# Altium PCB STM32F407VG.PcbDoc (part 1 of 2) (continued)
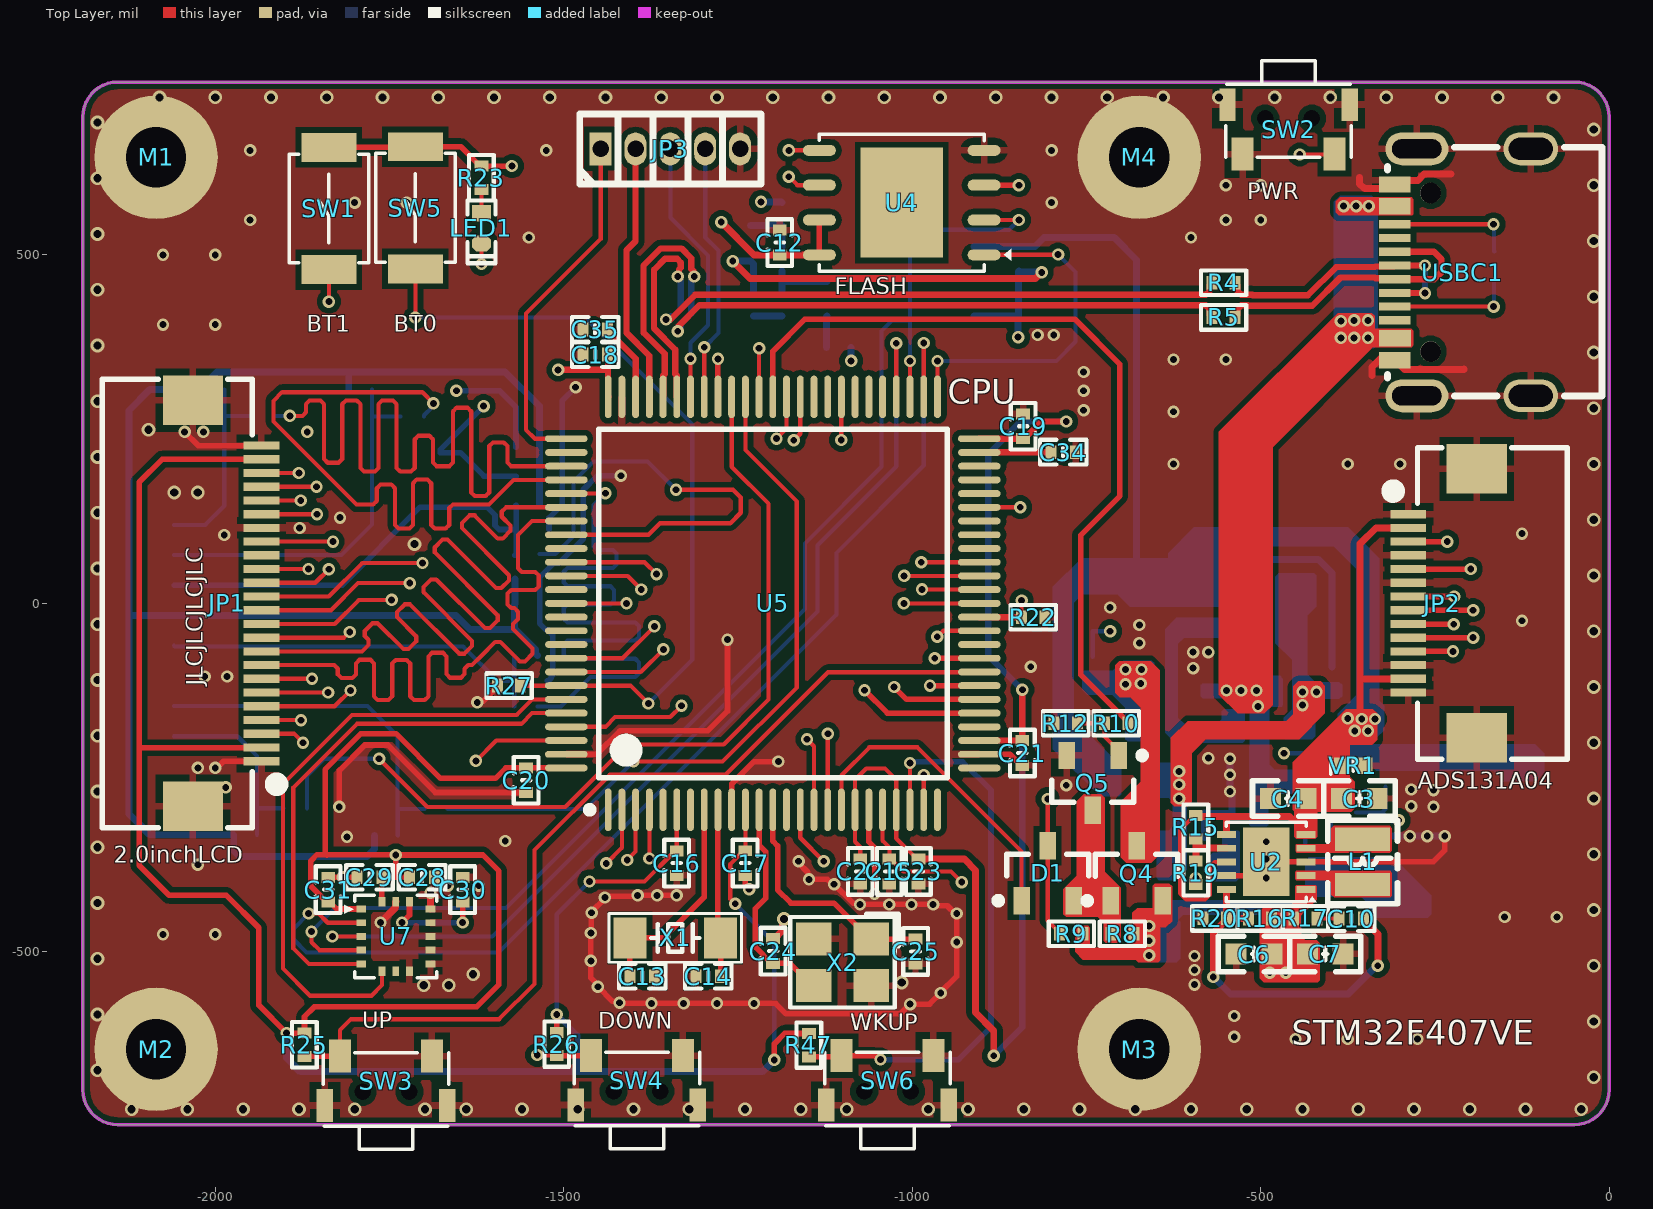
[diagram p0: Top Layer view]
## Components (designator, comment, footprint, x,y, rotation, side; value= is the part's Value field where it differs from the comment)
C1 "0.1uF" C0402_L -598.28,-336 r0 bottom
C2 "1uF" C0402_L -598.18,-300.52 r0 bottom
C3 "NC/10uF/6.3V" C0603_L -358.41,-280 r180 top
C4 "10uF/6.3V" C0603_L -460.59,-280 r0 top
C5 "1uF" C0402_L -847,494.29 r90 bottom
C6 "22uF/6.3V" C0603_L -509.57,-503.13 r0 top
C7 "22uF/6.3V" C0603_L -407.41,-503 r180 top
C8 "10uF" C0603_L -1232,516.59 r90 bottom
C9 "1000pF" C0402_L -1105.29,367 r180 bottom
C10 "22pF/25V" C0402_L -369.95,-452.19 r180 top
C11 "1uF" C0402_L -1227.89,430.11 r270 bottom
C12 "0.1uF" C0402_L -1190,517.71 r270 top locked
C13 "12pF" C0402_L -1387.29,-535 r180 top
C14 "12pF" C0402_L -1292.71,-535 r0 top
C15 "0.1uF" C0402_L -1032.79,-384.63 r90 top
C16 "0.1uF" C0402_L -1338,-372.71 r90 top
C17 "0.1uF" C0402_L -1239.76,-372.68 r90 top
C18 "0.1uF" C0402_L -1454.71,357 r0 top
C19 "0.1uF" C0402_L -840.94,254.06 r270 top
C20 "0.1uF" C0402_L -1554,-253.71 r90 top
C21 "0.1uF" C0402_L -842,-214.71 r90 top
C22 "0.1uF" C0402_L -1074.62,-384.63 r90 top
C23 "0.1uF" C0402_L -991,-384.71 r90 top
C24 "22pF" C0402_L -1199.64,-498.9 r90 top
C25 "22pF" C0402_L -995.26,-499.39 r270 top
C26 "2.2uF/25V" C0402_L -1552.28,-1 r0 bottom
C27 "33pF/25V" C0402_L -1552.28,35 r0 bottom
C28 "0.1uF" C0402_L -1703.29,-393 r180 top
C29 "2.2uF" C0402_L -1778.71,-393 r0 top
C30 "0.47uF" C0402_L -1645,-410.71 r90 top
C31 "0.1uF" C0402_L -1838,-410.71 r90 top
C32 "1uF" C0402_L -418.37,-343.17 r180 bottom
C33 "1uF" C0402_L -363,-317.71 r90 bottom
C34 "2.2uF" C0402_L -783.29,217 r180 top
C35 "2.2uF" C0402_L -1454.71,393 r0 top
D1 "BAT54C" SOT23-3L -805.62,-387.21 r90 top
D2 "B5919WS" SOD-123F -677.91,-37 r270 bottom
D3 "B5919WS" SOD-123F -520.83,21 r0 bottom
J1 "A1254WR-S-2P" A1254WR-S-2P -200,-455 r270 bottom locked
JP1 "24Pin_0.5mm" FPC0.5-WT-24P -2032,0 r90 top locked
JP2 "HDR-1X14" FPC0.5-WT-14P -190,0 r270 top locked
JP3 "HDR-1X5" HDR1.27-LI-5P -1347,652 r0 top
L1 "3.3uH/1.8A" NR2520 -353.71,-370.98 r270 top
LED1 "Yellow" LED0402 -1618,538 r270 top
M1 "M2" M2 -2085,640 r0 top
M2 "M2" M2 -2085,-640 r0 top
M3 "M2" M2 -674.06,-640 r0 top
M4 "M2" M2 -674.06,640 r0 top
Q1 "AO3401" SOT23-3L -406.37,-217 r0 bottom
Q2 "AO3401" SOT23-3L -485,-85.63 r270 bottom
Q3 "AO3400" SOT23-3L -538.68,-214.84 r90 bottom
Q4 "AO3401" SOT23-3L -678,-387.37 r90 top
Q5 "AO3400" SOT23-3L -741,-257.63 r270 top
Q6 "AO3401" SOT23-3L -677.91,-214.94 r90 bottom
Q7 "AO3401" SOT23-3L -421,-428.37 r90 bottom
R1 "330K" R0402_L -572,-108.27 r270 bottom
R2 "5.1K" R0402_L -148.27,465 r180 bottom
R3 "5.1K" R0402_L -148.27,505 r180 bottom
R4 "22R" R0402_L -553.27,460 r180 top
R5 "22R" R0402_L -553.26,410.37 r180 top
R6 "330K" R0402_L -397.61,-108.2 r270 bottom
R7 "4.7K/1%" R0402_L -541,-319.27 r90 bottom
R8 "100K" R0402_L -698.42,-474.03 r0 top
R9 "NC/10K" R0402_L -771.73,-474 r0 top
R10 "0R" R0402_L -707.27,-172 r0 top
R11 "10K" R0402_L -655.1,-319.61 r90 bottom
R12 "10K" R0402_L -779.73,-172 r180 top
R13 "100R" R0402_L -1187,493.73 r90 bottom
R14 "NC/0R" R0402_L -1187,558.73 r90 bottom
R15 "NC/0R" R0402_L -593,-321.27 r90 top
R16 "820K/1%" R0402_L -500.99,-452.13 r0 top
R17 "680K/1%" R0402_L -435.84,-452.07 r180 top
R18 "1R" R0402_L -1187,429.27 r90 bottom
R19 "0R/NC" R0402_L -593,-386.73 r90 top
R20 "143K/1%" R0402_L -565.73,-452 r0 top
R21 "0R" R0402_L -831.27,412 r0 bottom
R22 "10K/1%" R0402_L -826.27,-20 r180 top
R23 "1K" R0402_L -1618,610.73 r270 top
R24 "200K" R0402_L -484.27,-308 r180 bottom
R25 "10K/1%" R0402_L -1872,-633.27 r90 top
R26 "10K/1%" R0402_L -1510,-632.27 r90 top
R27 "10K/1%" R0402_L -1578.45,-118.01 r0 top
R28 "NC/10K" R0402_L -1956.73,-332 r180 bottom
R29 "NC/10K" R0402_L -1754.73,-333 r180 bottom
R30 "NC/10K" R0402_L -1554.27,-75 r0 bottom
R31 "NC/10K" R0402_L -1551.71,140.72 r0 bottom
R32 "NC/10K" R0402_L -1791.73,307 r180 bottom
R33 "NC/10K" R0402_L -2003.73,307 r180 bottom
R34 "33R/1%" R0402_L -1931.27,269 r180 bottom
R35 "33R/1%" R0402_L -1717.27,268 r180 bottom
R36 "33R/1%" R0402_L -1551.7,70.71 r180 bottom
R37 "33R/1%" R0402_L -1554.27,-148 r180 bottom
R38 "NC/10K" R0402_L -1551.79,182.57 r180 bottom
R39 "33R/1%" R0402_L -1683.27,-295 r180 bottom
R40 "33R/1%" R0402_L -1885.27,-294 r180 bottom
R41 "0R" R0402_L -1551.7,224.09 r0 bottom
R42 "200K" R0402_L -321,-246.27 r90 bottom
R43 "300K" R0402_L -419.27,-308 r180 bottom
R44 "300K" R0402_L -327,-316.73 r90 bottom
R45 "200K" R0402_L -741,-93.27 r270 bottom
R46 "200K" R0402_L -741,-23.27 r270 bottom
R47 "10K/1%" R0402_L -1148.15,-633.91 r90 top
SW1 "小龟按键" 3*4两脚小龟按键 -1837,566.6 r90 top
SW2 "小龟按键" 2*4*3.5 -460,680 r0 top locked
SW3 "小龟按键" 2*4*3.5 -1755,-685 r180 top locked
SW4 "小龟按键" 2*4*3.5 -1395,-684.25 r180 top locked
SW5 "小龟按键" 3*4两脚小龟按键 -1712.85,567.55 r90 top
SW6 "小龟按键" 2*4*3.5 -1035.42,-684.34 r180 top
TP1 "TEST" "TEST 1" -124,-230 r90 bottom
TP2 "TEST" "TEST 1" -124,-157.74 r90 bottom
U1 "LTC4054-4.2" SOT23-5L -594.6,-426.24 r90 bottom
U2 "MP2155" QFN10(3mmX3mm) -492,-371 r180 top
U3 "REF5025AIDR" SOIC-8L -1017,487 r180 bottom
U4 "W25Q128" "WSON 6x5mm" -1015,575 r180 top locked
U5 "STM32F407VGT6" LQFP100_L -1200,0 r90 top locked
U6 "Molex104031" 插拔式MicroSD卡 -1849,-11 r90 bottom locked
U7 "ICM20608" "LGA16     3*3*0.75" -1740.97,-477.91 r0 top
USBC1 "TYPE-C 2.0 -16P" USB-C-SMD_16P -210,475 r270 top locked
VR1 "UAD8C05L01" SOD882 -367.27,-233 r0 top
VR2 "ESD9D5U" SOD-923 -2010.62,269 r0 bottom
VR3 "ESD9D5U" SOD-923 -1798.62,268 r0 bottom
VR4 "ESD9D5U" SOD-923 -1544.78,106.33 r180 bottom
VR5 "ESD9D5U" SOD-923 -1547,-38 r180 bottom
VR6 "ESD9D5U" SOD-923 -1547.38,-111 r180 bottom
VR7 "ESD9D5U" SOD-923 -1762,-295 r0 bottom
VR8 "ESD9D5U" SOD-923 -1963.62,-294 r0 bottom
X1 "32.768KHz" XTAL-3215-2P -1340,-480 r180 top
X2 "8M" XTAL-3225-4P -1100,-515 r180 top

## Footprints (in the part's own frame and the unit in brackets; to place one, negate y for a bottom-side part, rotate by r counter-clockwise, add the part's x,y. Pads: shape width x height; smd on the part's side, far side on the other; paste and mask are expansions set on the pad)
2*4*3.5 [mm] "2*4*3.5按键"
  rect 0.6x1.2 smd mask+0.102: 0(-2.225,0.9) 0(2.225,0.9)
  round 0 hole 0.6 mask+0.102: 0(-0.85,0.4) 0(0.85,0.4)
  rect 0.8x1.2 smd mask+0.102: 1(-1.675,-0.9) 2(1.675,-0.9)
  silkscreen extent -2.29,-1.02 2.29,2.5, body extent -2.23,-1.12 2.22,2.4, height 1.85
3*4两脚小龟按键 [mm]
  rect 1.05x2 smd: 1(-2.225,0) 2(2.225,0)
  silkscreen extent -1.98,-1.45 1.98,1.45, body extent -2.5,-1.45 2.5,1.45, height 2
A1254WR-S-2P [mm] "长江连接器-卧式"
  rect 0.8x1.9 smd: 1(-0.625,2.55) 2(0.625,2.55)
  rect 2x3.6 smd: 3(-3.25,-2.55) 4(3.25,-2.55)
  silkscreen extent -3.85,-3.75 3.85,2.58
C0402_L [mm] "无极性贴片电容"
  rect 0.4x0.5 smd: 1(-0.45,0) 2(0.45,0)
  silkscreen extent -0.85,-0.45 0.85,0.45, body extent -0.5,-0.26 0.5,0.26, height 0.54
C0603_L [mil] "无极性贴片电容"
  rect 30x30 smd: 1(-25.59,0) 2(25.59,0)
  silkscreen extent -51,-26 51,26, body extent -31,-16 32,16, height 33
FPC0.5-WT-14P [mm] "长：11.2mm，宽：5.2mm，高：2mm"
  rect 1.8x2.2 smd: 0(-4.9,0) 0(4.9,0)
  rect 0.3x1.3 smd: 1(-3.25,-2.497) 2(-2.75,-2.497) 3(-2.25,-2.497) 4(-1.75,-2.497) 5(-1.25,-2.497) 6(-0.75,-2.497) 7(-0.25,-2.497) 8(0.25,-2.497) 9(0.75,-2.497) 10(1.25,-2.497) 11(1.75,-2.497) 12(2.25,-2.497) 13(2.75,-2.497) 14(3.25,-2.497)
  silkscreen extent -5.68,-3.23 5.68,3.3, body extent -5.6,-2.85 5.6,3.15, height 2
FPC0.5-WT-24P [mm] "长：16.2mm，宽：5.2mm，高：2mm 淘宝ID:黄晶宝石   店铺网址:https://shop463601444.taobao.com"
  rect 1.8x2.2 smd: 0(-7.4,0) 0(7.4,0)
  rect 0.3x1.3 smd: 1(-5.75,-2.497) 2(-5.25,-2.497) 3(-4.75,-2.497) 4(-4.25,-2.497) 5(-3.75,-2.497) 6(-3.25,-2.497) 7(-2.75,-2.497) 8(-2.25,-2.497) 9(-1.75,-2.497) 10(-1.25,-2.497) 11(-0.75,-2.497) 12(-0.25,-2.497) 13(0.25,-2.497) 14(0.75,-2.497) 15(1.25,-2.497) 16(1.75,-2.497) 17(2.25,-2.497) 18(2.75,-2.497) 19(3.25,-2.497) 20(3.75,-2.497) 21(4.25,-2.497) 22(4.75,-2.497) 23(5.25,-2.497) 24(5.75,-2.497)
  silkscreen extent -8.18,-3.23 8.18,3.3, body extent -8.1,-2.85 8.1,3.15, height 2
HDR1.27-LI-5P [mm] "直插，脚距：1.27mm  封装库来自淘宝卖家 ID：黄晶宝石"
  rect 0.8x1.2 hole 0.6: 1(-2.54,0)
  oval 0.8x1.2 hole 0.6: 2(-1.27,0) 3(0,0) 4(1.27,0) 5(2.54,0)
  silkscreen extent -3.3,-1.27 3.3,1.27, body extent -3.17,-1.23 3.18,1.17, height 4.48
LED0402 [mm] "0402贴片灯珠"
  rect 0.6x0.7 smd: 1(-0.55,0)
  oct 0.6x0.7 smd: 2(0.55,0)
  silkscreen extent -1.02,-0.51 1.27,0.51, body extent -0.5,-0.25 0.5,0.25, height 0.45
"LGA16     3*3*0.75" [mm]
  rect 0.35x0.25 smd: 1(-1.265,1) 2(-1.265,0.5) 3(-1.265,0) 4(-1.265,-0.5) 5(-1.265,-1) 9(1.265,-1) 10(1.265,-0.5) 11(1.265,0) 12(1.265,0.5) 13(1.265,1)
  rect 0.25x0.35 smd: 6(-0.5,-1.265) 7(0,-1.265) 8(0.5,-1.265) 14(0.5,1.265) 15(0,1.265) 16(-0.5,1.265)
  silkscreen extent -1.88,-1.5 1.5,1.5, body extent -1.5,-1.5 1.5,1.5, height 0.75
LQFP100_L [mm] "封装库来自淘宝 ID：黄晶宝石 Thin QFP, 100-Leads, Body 14x14mm, Pitch 0.5mm, IPC High Density"
  oval 1.55x0.25 smd: 1(-7.525,6) 2(-7.525,5.5) 3(-7.525,5) 4(-7.525,4.5) 5(-7.525,4) 6(-7.525,3.5) 7(-7.525,3) 8(-7.525,2.5) 9(-7.525,2) 10(-7.525,1.5) 11(-7.525,1) 12(-7.525,0.5) 13(-7.525,0) 14(-7.525,-0.5) 15(-7.525,-1) 16(-7.525,-1.5) 17(-7.525,-2) 18(-7.525,-2.5) 19(-7.525,-3) 20(-7.525,-3.5) 21(-7.525,-4) 22(-7.525,-4.5) 23(-7.525,-5) 24(-7.525,-5.5) 25(-7.525,-6) 51(7.525,-6) 52(7.525,-5.5) 53(7.525,-5) 54(7.525,-4.5) 55(7.525,-4) 56(7.525,-3.5) 57(7.525,-3) 58(7.525,-2.5) 59(7.525,-2) 60(7.525,-1.5) 61(7.525,-1) 62(7.525,-0.5) 63(7.525,0) 64(7.525,0.5) 65(7.525,1) 66(7.525,1.5) 67(7.525,2) 68(7.525,2.5) 69(7.525,3) 70(7.525,3.5) 71(7.525,4) 72(7.525,4.5) 73(7.525,5) 74(7.525,5.5) 75(7.525,6)
  oval 0.25x1.55 smd: 26(-6,-7.525) 27(-5.5,-7.525) 28(-5,-7.525) 29(-4.5,-7.525) 30(-4,-7.525) 31(-3.5,-7.525) 32(-3,-7.525) 33(-2.5,-7.525) 34(-2,-7.525) 35(-1.5,-7.525) 36(-1,-7.525) 37(-0.5,-7.525) 38(0,-7.525) 39(0.5,-7.525) 40(1,-7.525) 41(1.5,-7.525) 42(2,-7.525) 43(2.5,-7.525) 44(3,-7.525) 45(3.5,-7.525) 46(4,-7.525) 47(4.5,-7.525) 48(5,-7.525) 49(5.5,-7.525) 50(6,-7.525) 76(6,7.525) 77(5.5,7.525) 78(5,7.525) 79(4.5,7.525) 80(4,7.525) 81(3.5,7.525) 82(3,7.525) 83(2.5,7.525) 84(2,7.525) 85(1.5,7.525) 86(1,7.525) 87(0.5,7.525) 88(0,7.525) 89(-0.5,7.525) 90(-1,7.525) 91(-1.5,7.525) 92(-2,7.525) 93(-2.5,7.525) 94(-3,7.525) 95(-3.5,7.525) 96(-4,7.525) 97(-4.5,7.525) 98(-5,7.525) 99(-5.5,7.525) 100(-6,7.525)
  silkscreen extent -7.65,-6.35 6.35,6.8, body extent -8,-8 8,8, height 1.45
M2 [mm]
  round 4.5 hole 2.2: 1(0,0)
NR2520 [mm] "2.5mm*2.0mm*1.0mm(长*宽*高）"
  rect 0.85x2 smd: 1(-0.825,0) 2(0.825,0)
  silkscreen extent -1.52,-1.27 1.52,1.27, body extent -1.25,-1 1.25,1, height 1.12
QFN10(3mmX3mm) [mm]
  rect 0.7x0.25 smd: 1(-1.45,1) 2(-1.45,0.5) 3(-1.45,0) 4(-1.45,-0.5) 5(-1.45,-1) 6(1.45,-1) 7(1.45,-0.5) 8(1.45,0) 9(1.45,0.5) 10(1.45,1)
  rect 1.7x2.5 smd: 11(0,0)
  silkscreen extent -1.84,-1.45 1.45,1.47, body extent -1.45,-1.45 1.45,1.45, height 0.8
R0402_L [mm] "1/16W贴片电阻"
  rect 0.4x0.5 smd: 1(-0.425,0) 2(0.425,0)
  silkscreen extent -0.82,-0.45 0.83,0.45, body extent -0.5,-0.25 0.5,0.25, height 0.3
SOD882 [mm]
  rect 0.55x0.6 smd: 1(-0.425,0) 2(0.425,0)
  silkscreen extent -0.81,-0.3 0,0.28, body extent -0.5,-0.3 0.5,0.3, height 0.34
SOD-123F [mm] "2.7x1.6X1.1mm（长宽高，不包括引脚）"
  rect 1.3x1 smd: 1(1.85,0)
  oct 1.3x1 smd: 2(-1.85,0)
  silkscreen extent -2.84,-0.89 2.79,0.89, body extent -1.9,-0.8 1.9,0.8, height 1.15
SOD-923 [mm] "0.8x0.6X0.4mm（长宽高，不包括引脚）       淘宝ID:黄晶宝石"
  rect 0.5x0.4 smd: 1(-0.6,0)
  oct 0.5x0.4 smd: 2(0.6,0)
  silkscreen extent -1.02,-0.36 1.02,0.36, body extent -0.5,-0.3 0.5,0.3, height 0.43
SOIC-8L [mm] "封装库来自淘宝卖家 ID：黄晶宝石，其他均为盗版"
  oval 1.397x0.61 smd: 1(-2.68,1.905) 2(-2.68,0.635) 3(-2.68,-0.635) 4(-2.68,-1.905) 5(2.68,-1.905) 6(2.68,-0.635) 7(2.68,0.635) 8(2.68,1.905)
  silkscreen extent -2.06,-2.5 1.52,3.2, body extent -3,-2.5 3,2.5, height 1.9
SOT23-3L [mm] "SOT23, 3-Leads, Body 2.9x1.3mm, Pitch 0.95mm, Lead Span 2.4mm, IPC High Density"
  rect 1x0.6 smd: 1(-1,0.95) 2(-1,-0.95) 3(1,0)
  silkscreen extent -1.12,-1.5 0.7,1.92, body extent -1.2,-1.5 1.2,1.5, height 1.05
SOT23-5L [mm] "SOT23, 5-Leads, Body 2.9x1.6mm, Pitch 0.95mm, IPC High Density"
  rect 0.85x0.6 smd: 1(-1.2,0.95) 2(-1.2,0) 3(-1.2,-0.95) 4(1.2,-0.95) 5(1.2,0.95)
  silkscreen extent -1.32,-1.55 0.4,1.93, body extent -1.4,-1.5 1.4,1.5, height 1.15
"TEST 1" [mm] "测试点1mm"
  round 1 smd paste-1: 1(0,0)
USB-C-SMD_16P [mm] "封装库来自淘宝ID:黄晶宝石"
  oval 1.2x2 hole 0.8 slot 1.6 at 90 deg: 0(-4.5,2.475) 0(4.5,2.475)
  oval 1.2x2.3 hole 0.7 slot 1.8 at 90 deg: 0(-4.5,-1.675) 0(4.5,-1.675)
  rect 0.3x1.15 smd: A1(3.35,-2.473) A4(2.55,-2.471) A5(1.25,-2.475) A6(0.25,-2.475) A7(-0.25,-2.473) A9(-2.55,-2.475) A12(-3.35,-2.475) B1(-3.05,-2.475) B4(-2.25,-2.475) B5(-1.75,-2.475) B6(-0.75,-2.475) B7(0.75,-2.473) B9(2.25,-2.471) B12(3.05,-2.473)
  rect 0.3x1.148 smd: A8(1.75,-2.475) B8(-1.25,-2.475)
  round 0.75 hole 0.75 unplated: ""(-2.89,-1.175) ""(2.89,-1.175)
  silkscreen extent -4.56,-2.75 4.5,5.08, body extent -4.44,-2.87 4.5,5.03, height 3.25
"WSON 6x5mm" [mm]
  rect 3x4 smd: 0(0,0)
  oval 1.2x0.4 smd: 1(-3,1.905) 2(-3,0.635) 3(-3,-0.635) 4(-3,-1.905) 5(3,-1.905) 6(3,-0.635) 7(3,0.635) 8(3,1.905)
  silkscreen extent -4,-2.5 3,2.5, body extent -3,-2.5 3,2.5, height 0.75
XTAL-3215-2P [mm] "3.2*1.5*0.6mm(长宽高)"
  rect 1.2x1.5 smd: 1(-1.65,0) 2(1.65,0)
  silkscreen extent -2.41,-0.89 2.41,0.89, body extent -1.6,-0.75 1.6,0.75, height 0.61
XTAL-3225-4P [mm] "3.2*2.5*0.7mm(长宽高)                             淘宝ID:黄晶宝石"
  rect 1.3x1.2 smd: 1(-1.05,-0.85) 2(1.05,-0.85) 3(1.05,0.85) 4(-1.05,0.85)
  silkscreen extent -2.03,-1.75 1.91,1.65, body extent -1.6,-1.25 1.6,1.25, height 0.7
插拔式MicroSD卡 [mm]
  rect 0.7x1.2 smd: 1(3.138,-5.338) 2(2.038,-5.338) 3(0.938,-5.338) 4(-0.162,-5.338) 5(-1.262,-5.338) 6(-2.362,-5.338) 7(-3.463,-5.338) 8(-4.562,-5.337)
  rect 1.17x1.8 smd: 9(-5.773,-5.138)
  rect 1.55x1.35 smd: 10(5.598,-5.312)
  rect 1.2x1 smd: 11(5.773,0.663) 12(5.773,4.363)
  rect 1.9x1.35 smd: 13(2.273,5.338) 14(-3.697,5.338)
  silkscreen extent -6.07,-5.64 5.99,5.67, body extent -5.95,-5.74 6,5.66, height 1.44

## Part data
C1 C2 C3 C4 C5 C6 C7 C8 C9 C10 C11 C12 C13 C14 C15 C16 C17 C18 C19 C20 C21 C22 C23 C24 C25 C26 C27 C28 C29 C30 C31 C32 C33 C34 C35: library part C, "贴片电容", BOM名称=无极性贴片电容, 联系卖家，免费查找封装=唯一出售店铺网址https://shop463601444.taobao.com
D1: "共阴肖特基二极管"
D2 D3: library part 1N5819, "肖特基二极管", BOM名称=肖特基二极管, 联系卖家，免费查找封装=唯一出售店铺网址https://shop463601444.taobao.com
J1: "长江连接器-卧式-2P"
JP1: library part 屏幕板FPC, "屏幕板外接座"
JP2: library part "Header 14", "14P接插件", BOM名称=14P接插件, 封装库来自淘宝卖家 ID：黄晶宝石=其他店铺购入均为盗版假冒封装库, 联系卖家，免费查找封装=唯一出售店铺网址https://shop463601444.taobao.com
JP3: library part "Header 5", "5P接插件", 封装库来自淘宝卖家 ID：黄晶宝石=https://shop463601444.taobao.com
L1: library part L-NR, "太诱-NR磁胶电感", BOM名称=NR磁胶电感, 联系卖家，免费查找封装=唯一出售店铺网址https://shop463601444.taobao.com
LED1: library part LED-SMD, "贴片LED", BOM名称=贴片LED, 联系卖家 免费查找封装=封装库来自淘宝卖家ID：黄晶宝石
M1 M2 M3 M4: library part M2系列, "M2孔支撑柱"
Q1 Q2 Q4 Q6 Q7: "P沟道 30V/4.2A", BOM名称=场效应管, 参数="P沟道 30V/4.2A", 联系卖家，免费查找封装=唯一出售店铺网址https://shop463601444.taobao.com
Q3 Q5: "N沟道 30V/4.2A", BOM名称=场效应管, 参数="N沟道 30V/4.2A", 联系卖家，免费查找封装=唯一出售店铺网址https://shop463601444.taobao.com
R1 R2 R3 R4 R5 R6 R7 R8 R9 R10 R11 R12 R13 R14 R15 R16 R17 R18 R19 R20 R21 R22 R23 R24 R25 R26 R27 R28 R29 R30 R31 R32 R33 R34 R35 R36 R37 R38 R39 R40 R41 R42 R43 R44 R45 R46 R47: library part R, "贴片电阻", BOM名称=贴片电阻, 联系卖家，免费查找封装=唯一出售店铺网址https://shop463601444.taobao.com
SW1 SW2 SW3 SW4 SW5 SW6: library part SW-PB, "微动开关", BOM名称=3x6轻触开关, 封装库来自淘宝卖家ID：黄晶宝石=其他店铺购入均为盗版假冒封装库，请立即申请退款, 联系卖家，免费查找封装=唯一出售店铺网址https://shop463601444.taobao.com
TP1 TP2: "测试点", BOM名称=测试点, 封装库来自淘宝卖家ID：黄晶宝石=其他店铺购入均为盗版假冒封装库，请立即申请退款, 联系卖家，免费查找封装=唯一出售店铺网址https://shop463601444.taobao.com
U1: "锂电池充电IC"
U2: "高效、低静态电流的Buck-Boost变换器"
U3: "3uVpp/V噪声 3ppm/℃漂移 电压基准 0.05%"
U4: library part W25Qxx, "SPI Flash"
U5: "ARM Cortex-M4 32b MCU+FPU, 210DMIP, 1024 kB Flash, 192+4 kB RAM, Camera, 82 I/Os, 100-pin LQFP, -40 to +85癈, Tray", Operating Frequency (Processor Speed)=168MHz, 16-bit Timers (IC/OC/PWM)=12x16-bit(24/24/30), 32-bit Timer (IC/OC/PWM)="2x32-bit (8/8/8)", A/D Converter=16x12-bit, ComponentLink1Description="Manufacturer URL", ComponentLink1URL=http://www.st.com/, ComponentLink2Description="STM32F405/7 Datasheet", ComponentLink2URL=http://www.st.com/internet/com/TECHNICAL_RESOURCES/TECHNICAL_LITERATURE/DATASHEET/DM00037051.pdf, ComponentLink3Description="STM32F4 Web Page", ComponentLink3URL=http://www.st.com/internet/mcu/subclass/1521.jsp, D/A Converter=2x12-bit, DatasheetVersion="rev2, Jan-2012", Internal RAM=192kB, Other Timer Functions="2xWDG, RTC, 24-bit down counter", PackageDescription="100-Pin Low Profile Quad Flat Package, 14x14 mm Body, 0.5 mm Pitch", PackageReference=LQFP100, PackageVersion=2012, Serial Interface="3xSPI/2xI2S/2xI2C/3xUSART(IrDa, ISO7816)/3xUART/2xUSB OTG FS/HS, 2xCAN/Ethernet MAC10/100, SDIO", 联系卖家，免费查找封装=唯一出售店铺网址https://shop463601444.taobao.com
U6: "拔插式超薄TF卡座"
U7: library part ICM20608-G, "六轴姿态传感器"
USBC1: library part USB2.0_Type-C_16Pin, "USB2.0_Type-C_16Pin母座", 联系卖家 免费技术支持=封装库来自淘宝卖家ID：黄晶宝石, 联系卖家 免费查找封装=唯一出售店铺网址https://shop463601444.taobao.com
VR2 VR3 VR4 VR5 VR6 VR7 VR8: library part Diode4, "瞬态电压抑制二极管"
X1: library part XTAL-2P, "2脚无源晶振(谐振器）", BOM名称=2脚无源晶振(谐振器）, 联系卖家，免费查找封装=唯一出售店铺网址https://shop463601444.taobao.com
X2: library part XTAL-4P, "4脚无源晶振(谐振器）", BOM名称=4脚无源晶振(谐振器）, 联系卖家，免费查找封装=唯一出售店铺网址https://shop463601444.taobao.com

## Via types
v1: diameter 17.72, hole 9.84, Top Layer to Bottom Layer, tented both sides, 266 vias
v2: diameter 19.68, hole 11.81, Top Layer to Bottom Layer, tented both sides, 98 vias

## Nets (pads, with @x,y where several pads share a name; then routed paths per layer and width w, separated by ;. In a path a pad name is that pad's centre, name@x,y a point inside that pad or via, vN(x,y) a via of type N, cw(c..) or ccw(c..) an arc to the next point about the centre after c; other vN are vias at no path point)
ADC1_IN1: R45.1 R46.2 U5.24 | length 636.7
  Top Layer w6: U5.24@-983.46,-296.26 v1(-983.46,-246.28)
  PWR w6: v1(-983.46,-246.28) -890.72,-246.28 -832,-305 -770,-305 -738,-273 -738,-62 v1(-716,-40)
  Bottom Layer w6: R45.1@-741,-76.54 R46.2@-741,-40 v1(-716,-40)
ADC1_IN4: U5.29
ADC1_IN8: U5.35
ADS_DONE: JP2.10 U5.3 | length 1823.4
  Top Layer w6: v1(-1408.87,-368.13) -1408.87,-367.87 -1396.85,-355.85 U5.3@-1396.85,-296.26
  Top Layer w8: JP2.10@-288.31,-49.21 v1(-195.21,-49.21)
  GND w8: v1(-1408.87,-368.13) -1391.24,-385.76 -1345.76,-385.76 -1310.02,-350.02 -909.98,-350.02 -817,-443 -246,-443 -177,-374 -177,-67.42 v1(-195.21,-49.21)
ADS_DRDY: JP2.9 U5.2 | length 2192.2
  Top Layer w6: v1(-1439,-373) -1416.54,-350.54 U5.2@-1416.54,-296.26
  Top Layer w8: JP2.9@-288.31,-29.53 -287.83,-30 v1(-223.09,-30)
  GND w8: v1(-1439,-373) -1628.03,-373 -1672,-329.03 -1672,-199 -1641.15,-168.15 -836.33,-168.15 -827.48,-177 -535,-177 -457,-255 -331,-255 -287.98,-211.98 -287.98,-94.88 v1(-223.09,-30)
ADS_RESET: JP2.11 U5.4 | length 1692.4
  Top Layer w6: v1(-1377.17,-366.01) U5.4@-1377.17,-296.26
  Top Layer w8: JP2.11@-288.31,-68.9 v1(-224.1,-68.9)
  GND w8: v1(-1377.17,-366.01) -1343.16,-332 -898,-332 -806,-424 -260,-424 -201,-365 -201,-92 v1(-224.1,-68.9)
AGND: C5.1 C8.1 C9.1 C11.1 R21.1 U3.4 | length 1043.9
  Top Layer w10: v1(-1257.56,491.02) -1232.54,466 -823.13,466 v1(-814.16,474.97)
  PWR w10: v1(-1087.64,347.99) -1057.65,318 -867,318 -848,337 v1(-848,382)
  Bottom Layer w10: v1(-1257.56,491.02) C8.1@-1232,491 -1227.89,486.89 C11.1@-1227.89,447.82 ; v1(-1087.64,347.99) -1087.57,348.06 C9.1@-1087.57,367 ; U3.4@-911.49,412 R21.1@-848,412 ; v1(-848,382) R21.1@-848,412 ; v1(-814.16,474.97) -814.96,475.77 -846.2,475.77 C5.1@-847,476.57 -847.5,476.07 -847.5,412.5 R21.1@-848,412
BOOT0: R27.2 SW5.1 U5.94 | length 1150.9
  Top Layer w6: v1(-1712.85,410.15) SW5.1@-1712.85,479.95 ; R27.2@-1561.72,-118.01 -1561.62,-118.11 -1404.2,-118.11 v1(-1378.6,-143.71)
  Bottom Layer w6: v1(-1712.85,410.15) -1469.15,410.15 -1315.49,256.49 -1315.49,-80.61 v1(-1378.6,-143.71)
BOOT1: R22.2 SW1.1 U5.37 | length 1463.7
  Top Layer w6: v1(-1837,433) SW1.1@-1837,479 ; R22.2@-843,-20 v1(-843,4)
  Top Layer w9.01: U5.37@-903.74,-19.68 -903.58,-19.84 -843.16,-19.84 R22.2@-843,-20
  PWR w6: v1(-1837,433) -1220,433 -1074.11,287.11 -879.27,287.11 -823,230.84 -823,24 v1(-843,4)
CC1: R2.2 USBC1.A5 | length 181.2
  Top Layer w6: USBC1.A5@-307.45,425.79 v1(-165.79,425.79)
  Bottom Layer w6: v1(-165.79,425.79) -165.39,426.18 -165.39,464.61 R2.2@-165,465
CC2: R3.2 USBC1.B5 | length 180.8
  Top Layer w6: USBC1.B5@-307.43,543.9 v1(-165.9,543.9)
  Bottom Layer w6: v1(-165.9,543.9) -165.45,543.45 -165.45,505.45 R3.2@-165,505
DC_IN: Q1.3 R42.2 TP1.1
DC_Inter: C33.2 R42.1 R44.2 U5.98 | length 1607.2
  Top Layer w6: v1(-1626,-226) -1596.85,-196.85 U5.98@-1496.26,-196.85
  GND w6: v1(-1626,-226) -1462,-226 -1376.83,-311.17 v1(-302.02,-311.17)
  Bottom Layer w6: C33.2@-363,-300 R44.2@-327,-300 R44.2@-325.87,-300 ; R42.1@-321,-263 -321,-295.13 R44.2@-325.87,-300 ; v1(-302.02,-311.17) -303.85,-313 -312.03,-313 -325.03,-300 R44.2@-325.87,-300
FSMC_A16: JP1.14 U5.58 | length 1455.7
  Top Layer w6: JP1.14@-1933.69,29.53 -1856.47,29.53 v1(-1837,49) ; v1(-1101.82,234.35) -1101.7,234.47 -1101.7,296.14 U5.58@-1101.57,296.26
  PWR w6: v1(-1837,49) -1802,84 -1799.88,86.12 -1799.88,93.48 -1805.18,98.78 -1805.18,106.13 -1794.15,117.16 -1786.8,117.16 -1766.21,96.58 -1758.86,96.58 -1747.83,107.61 -1747.83,114.96 -1768.41,135.55 -1768.41,142.9 -1757.38,153.93 -1750.03,153.93 -1729.44,133.35 -1722.09,133.35 -1711.06,144.38 -1711.06,151.73 -1731.64,172.32 -1731.64,179.67 -1720.61,190.7 -1713.26,190.7 -1692.67,170.12 -1685.32,170.12 -1674.29,181.15 -1674.29,188.5 -1694.87,209.09 -1694.87,216.44 -1683.84,227.47 -1676.49,227.47 -1655.9,206.89 -1648.55,206.89 -1637.52,217.92 -1637.52,231.8 -1632.32,237 -1617.79,237 -1614.48,237 -1611.48,237 -1606.28,242.2 -1606.28,254.15 -1601.08,259.35 -1585.48,259.35 -1580.28,254.15 -1580.28,232.3 -1575.08,227.1 -1559.48,227.1 -1554.28,232.3 -1554.28,254.15 -1549.08,259.35 -1533.48,259.35 -1528.28,254.15 -1528.28,232.3 -1523.08,227.1 -1507.48,227.1 -1502.28,232.3 -1502.28,250.89 -1497.08,256.09 -1481.48,256.09 -1476.28,250.89 -1476.28,242.2 -1471.08,237 -1437.5,237 -1404,237 -1316.96,324.04 -1145.18,324.04 -1101.82,280.69 v1(-1101.82,234.35)
FSMC_D0: JP1.11 U5.61 | length 1455.7
  Top Layer w6: JP1.11@-1933.69,-29.53 -1828.53,-29.53 -1794,5 v1(-1747,5) ; v1(-1170,234) -1160.63,243.37 U5.61@-1160.63,296.26
  PWR w6: v1(-1747,5) -1723,5 -1694,5 -1688.8,-0.2 -1688.8,-4.97 -1683.6,-10.17 -1668,-10.17 -1662.8,-4.97 -1662.8,11.8 -1657.6,17 -1642,17 -1636.8,11.8 -1636.8,-4.97 -1631.6,-10.17 -1616,-10.17 -1610.8,-4.97 -1610.8,11.8 -1605.6,17 -1590,17 -1584.8,11.8 -1584.8,-4.97 -1579.6,-10.17 -1564,-10.17 -1558.8,-4.97 -1558.8,11.8 -1553.6,17 -1538,17 -1532.8,11.8 -1532.8,-4.97 -1527.6,-10.17 -1512,-10.17 -1506.8,-4.97 -1506.8,25.2 -1497.8,34.2 -1491,41 -1488.88,43.12 -1488.88,50.48 -1490.54,52.14 -1490.54,59.49 -1479.51,70.52 -1472.15,70.52 -1446.48,44.85 -1439.12,44.85 -1428.09,55.88 -1428.09,63.23 -1453.77,88.91 -1453.77,96.26 -1442.74,107.29 -1435.38,107.29 -1409.71,81.62 -1402.36,81.62 -1391.32,92.65 -1391.32,100 -1417,125.68 -1417,133.03 -1405.97,144.06 -1398.62,144.06 -1372.94,118.38 -1365.59,118.38 -1354.55,129.42 -1354.55,136.77 -1380.23,162.44 -1380.23,169.8 -1369.2,180.83 -1361.85,180.83 -1357.81,176.8 -1350.46,176.8 -1339.43,187.83 -1339.43,195.18 -1343.46,199.21 -1343.46,206.57 -1332.43,217.6 -1325.08,217.6 -1306.89,199.42 -1299.54,199.42 -1288.51,210.45 -1288.51,217.8 -1297.68,226.97 -1297.68,234.32 -1263,269 -1187.11,269 -1170,251.89 v1(-1170,234)
FSMC_D1: JP1.10 U5.62 | length 1455.7
  Top Layer w6: JP1.10@-1933.69,-49.21 -1815.21,-49.21 v1(-1807,-41) ; v1(-1194.65,236.35) -1180.32,250.68 U5.62@-1180.32,296.26
  PWR w6: v1(-1807,-41) -1783,-41 -1780,-41 -1774.8,-35.8 -1774.8,-18.06 -1769.6,-12.86 -1754,-12.86 -1748.8,-18.06 -1748.8,-51.77 -1743.6,-56.97 -1728,-56.97 -1722.8,-51.77 -1722.8,-19.14 -1717.6,-13.94 -1702,-13.94 -1696.8,-19.14 -1696.8,-51.77 -1691.6,-56.97 -1676,-56.97 -1670.8,-51.77 -1670.8,-27.37 -1665.6,-22.17 -1650,-22.17 -1644.8,-27.37 -1644.8,-51.77 -1639.6,-56.97 -1624,-56.97 -1618.8,-51.77 -1618.8,-27.37 -1613.6,-22.17 -1598,-22.17 -1592.8,-27.37 -1592.8,-51.77 -1587.6,-56.97 -1572,-56.97 -1566.8,-51.77 -1566.8,-27.37 -1561.6,-22.17 -1546,-22.17 -1540.8,-27.37 -1540.8,-35.8 -1535.6,-41 -1508,-41 -1411.63,55.37 -1391.13,75.87 -1383.77,75.87 -1371.49,63.59 -1364.14,63.59 -1353.11,74.62 -1353.11,81.97 -1365.39,94.26 -1365.39,101.61 -1354.36,112.64 -1347,112.64 -1334.72,100.36 -1327.37,100.36 -1316.34,111.39 -1316.34,118.74 -1333.49,135.9 -1333.49,143.25 -1322.46,154.28 -1315.11,154.28 -1297.95,137.13 -1290.6,137.13 -1279.57,148.16 -1279.57,155.51 -1299.34,175.29 -1299.34,182.64 -1288.31,193.68 -1280.96,193.68 -1261.18,173.9 -1253.83,173.9 -1242.8,184.93 -1242.8,192.28 -1269.22,218.7 -1269.22,226.06 -1258.18,237.09 -1250.83,237.09 -1244.05,230.31 -1236.69,230.31 -1230.65,236.35 -1222.35,236.35 v1(-1194.65,236.35)
FSMC_D2: JP1.9 U5.81 | length 1352.9
  Top Layer w6: JP1.9@-1933.69,-68.9 -1789.46,-68.9 -1782.28,-61.72 -1780.16,-59.6 -1780.16,-52.24 -1785.46,-46.94 -1785.46,-39.58 -1774.43,-28.55 -1767.08,-28.55 -1730.08,-65.55 -1722.73,-65.55 -1711.7,-54.52 -1711.7,-47.17 -1739.13,-19.74 -1739.13,-12.38 -1728.1,-1.35 -1720.74,-1.35 -1649.91,-72.19 -1642.55,-72.19 -1631.52,-61.16 -1631.52,-53.8 -1701.36,16.03 -1701.36,23.39 -1690.33,34.42 -1682.97,34.42 -1613.14,-35.42 -1605.78,-35.42 -1594.75,-24.39 -1594.75,-17.03 -1684.96,73.18 -1684.96,80.53 -1673.93,91.56 -1666.58,91.56 -1596.96,21.94 -1589.6,21.94 -1578.57,32.97 -1578.57,40.33 -1646.18,107.94 -1646.18,115.29 -1635.15,126.32 -1627.8,126.32 -1594.75,93.28 -1587.4,93.28 -1576.37,104.31 -1576.37,111.66 -1588.96,124.25 -1588.96,131.6 -1582.77,137.8 -1564.89,137.8 U5.81@-1496.26,137.8
FSMC_D3: JP1.8 U5.82 | length 1043
  Top Layer w6: JP1.8@-1933.69,-88.58 -1858.36,-88.58 -1829.36,-88.58 -1824.16,-93.78 -1824.16,-101.94 -1818.96,-107.14 -1803.36,-107.14 -1798.16,-101.94 -1798.16,-86.1 -1792.96,-80.9 -1777.36,-80.9 -1772.16,-86.1 -1772.16,-133.38 -1766.96,-138.58 -1751.36,-138.58 -1746.16,-133.38 -1746.16,-86.43 -1740.96,-81.23 -1725.36,-81.23 -1720.16,-86.43 -1720.16,-133.38 -1714.96,-138.58 -1699.36,-138.58 -1694.16,-133.38 -1694.16,-76.1 -1688.96,-70.9 -1673.36,-70.9 -1668.16,-76.1 -1668.16,-101.52 -1662.96,-106.72 -1647.36,-106.72 -1642.16,-101.52 -1642.16,-93.78 -1636.96,-88.58 -1631.58,-88.58 -1618.85,-75.85 -1598.34,-55.34 -1590.99,-55.34 -1562.99,-83.34 -1555.63,-83.34 -1544.6,-72.31 -1544.6,-64.96 -1572.6,-36.96 -1572.6,-29.6 -1565.72,-22.72 -1565.5,-22.5 -1565.5,-15 -1565.5,-12 -1570.7,-6.8 -1575.38,-6.8 -1580.58,-1.6 -1580.58,14 -1575.38,19.2 -1540.97,19.2 -1535.77,24.4 -1535.77,40 -1540.97,45.2 -1560.3,45.2 -1565.5,50.4 -1565.5,97.78 -1565.5,98.21 -1545.6,118.11 U5.82@-1496.26,118.11
FSMC_D4: JP1.7 U5.38 | length 1455.7
  Top Layer w6: JP1.7@-1933.69,-108.27 v1(-1861.27,-108.27) ; v1(-1012,0) U5.38@-903.74,0
  PWR w6: v1(-1861.27,-108.27) -1843.15,-90.15 -1441,-90.15 -1438,-90.15 -1432.8,-84.95 -1432.8,-83.91 -1427.6,-78.71 -1412,-78.71 -1406.8,-83.91 -1406.8,-84.95 -1401.6,-90.15 -1380.85,-90.15 -1253.89,-90.15 -1213.87,-50.13 -1213.87,67.13 -1161,120 -956,120 -930,94 -930,29 -959,0 v1(-1012,0)
FSMC_D5: JP1.6 U5.39 | length 1455.7
  Top Layer w6: JP1.6@-1933.69,-127.95 v1(-1838,-128) v1(-1838,-128) ; v1(-986,20) -985.69,19.69 U5.39@-903.74,19.69
  PWR w6: v1(-1838,-128) -1816,-106 -1216,-106 -1160,-50 -1160,-37 -1160,-34 -1165.2,-28.8 -1188.97,-28.8 -1194.17,-23.6 -1194.17,-8 -1188.97,-2.8 -1158.2,-2.8 -1153,2.4 -1153,18 -1158.2,23.2 -1187.51,23.2 -1192.71,28.4 -1192.71,44 -1187.51,49.2 -1162.8,49.2 -1152.4,59.6 -1108,104 -963,104 -945,86 -945,38 -963,20 v1(-986,20)
FSMC_D6: JP1.5 U5.40 | length 1456.4
  Top Layer w6: JP1.5@-1933.69,-147.64 -1828.64,-147.64 v1(-1806,-125) ; v1(-1011.57,39.37) U5.40@-903.74,39.37
  PWR w6: v1(-1806,-125) -1803.76,-122.76 -1797.04,-122.76 -1796.63,-122.35 -1784,-122.35 -1755,-122.35 -1749.8,-127.55 -1749.8,-143.12 -1744.6,-148.32 -1729,-148.32 -1723.8,-143.12 -1723.8,-123.2 -1718.6,-118 -1703,-118 -1697.8,-123.2 -1697.8,-143.12 -1692.6,-148.32 -1677,-148.32 -1671.8,-143.12 -1671.8,-127.55 -1666.6,-122.35 -1656.8,-122.35 -1293.38,-122.35 -1264.38,-122.35 -1259.18,-127.55 -1259.18,-143.77 -1253.98,-148.97 -1238.38,-148.97 -1233.18,-143.77 -1233.18,-127.55 -1227.98,-122.35 -1212.57,-122.35 -1205.35,-122.35 -1141,-58 -1141,42 -1095,88 -971,88 -959.16,76.16 -959.16,48.84 -968.63,39.37 v1(-1011.57,39.37)
FSMC_D7: JP1.4 U5.41 | length 1464.7
  Top Layer w6: JP1.4@-1942.69,-167.32 -1942.52,-167.5 -1877.19,-167.5 v1(-1877.01,-167.67) ; v1(-986.94,59.06) U5.41@-903.74,59.06
  PWR w6: v1(-1877.01,-167.67) -1597,-167.67 -1594,-167.67 -1588.8,-162.47 -1588.8,-150.1 -1583.6,-144.9 -1568,-144.9 -1562.8,-150.1 -1562.8,-180.59 -1557.6,-185.79 -1542,-185.79 -1536.8,-180.59 -1536.8,-142.2 -1531.6,-137 -1516,-137 -1510.8,-142.2 -1510.8,-180.59 -1505.6,-185.79 -1490,-185.79 -1484.8,-180.59 -1484.8,-142.2 -1479.6,-137 -1464,-137 -1458.8,-142.2 -1458.8,-180.59 -1453.6,-185.79 -1438,-185.79 -1432.8,-180.59 -1432.8,-159.48 -1427.6,-154.28 -1412,-154.28 -1406.8,-159.48 -1406.8,-162.47 -1401.6,-167.67 -1373.79,-167.67 -1174.67,-167.67 -1102,-95 -1102,36 -1078.94,59.06 v1(-986.94,59.06)
FSMC_NE1: JP1.15 U5.88 | length 1029.4
  Top Layer w6: JP1.15@-1933.69,49.21 v1(-1866.21,49.21) ; U5.88@-1496.26,0 v1(-1410,0)
  PWR w6: v1(-1866.21,49.21) -1866.21,30 -1866.21,24.32 -1871.41,19.12 -1883.75,19.12 -1888.95,13.92 -1888.95,-1.68 -1883.75,-6.88 -1843.5,-6.88 -1838.3,-12.08 -1838.3,-27.68 -1843.5,-32.88 -1883.75,-32.88 -1888.95,-38.08 -1888.95,-53.68 -1883.75,-58.88 -1850.12,-58.88 -1847.12,-61.88 -1835.82,-73.18 -1818,-73.18 -1815,-73.18 -1809.8,-67.98 -1809.8,-64.06 -1804.6,-58.86 -1789,-58.86 -1783.8,-64.06 -1783.8,-67.98 -1778.6,-73.18 -1774.95,-73.18 -1556,-73.18 -1553,-73.18 -1547.8,-67.98 -1547.8,-58.2 -1542.6,-53 -1527,-53 -1521.8,-58.2 -1521.8,-67.98 -1516.6,-73.18 -1483.18,-73.18 -1477.5,-67.5 -1475.38,-65.38 -1475.38,-58.02 -1488.04,-45.36 -1488.04,-38.01 -1477.01,-26.98 -1469.65,-26.98 -1433.41,-63.23 -1426.05,-63.23 -1415.02,-52.2 -1415.02,-44.84 -1431.25,-28.61 -1431.25,-21.25 -1410.91,-0.91 v1(-1410,0)
FSMC_NOE: JP1.12 U5.85 | length 1391.1
  Top Layer w6: JP1.12@-1933.69,-9.84 -1833.84,-9.84 -1795,29 v1(-1721,29) ; U5.85@-1496.26,59.06 -1384.06,59.06 v1(-1367,42)
  PWR w6: v1(-1721,29) -1538,29 -1280.48,286.52 -1166.3,286.52 -1143,263.21 -1143,235.74 -1336.74,42 v1(-1367,42)
FSMC_NWE: JP1.13 U5.86 | length 1455.6
  Top Layer w6: JP1.13@-1933.69,9.84 -1837.16,9.84 -1789.01,57.99 v1(-1702.75,57.99) ; U5.86@-1496.26,39.37 -1408.14,39.37 v1(-1388.74,19.97)
  PWR w6: v1(-1702.75,57.99) -1554.69,206.04 -1398.2,206.04 -1299.85,304.4 -1155.93,304.4 -1125,273.47 -1125,226 -1331.03,19.97 v1(-1388.74,19.97)